# Altium PCB PokeyMain.PcbDoc (part 1 of 3) (continued)
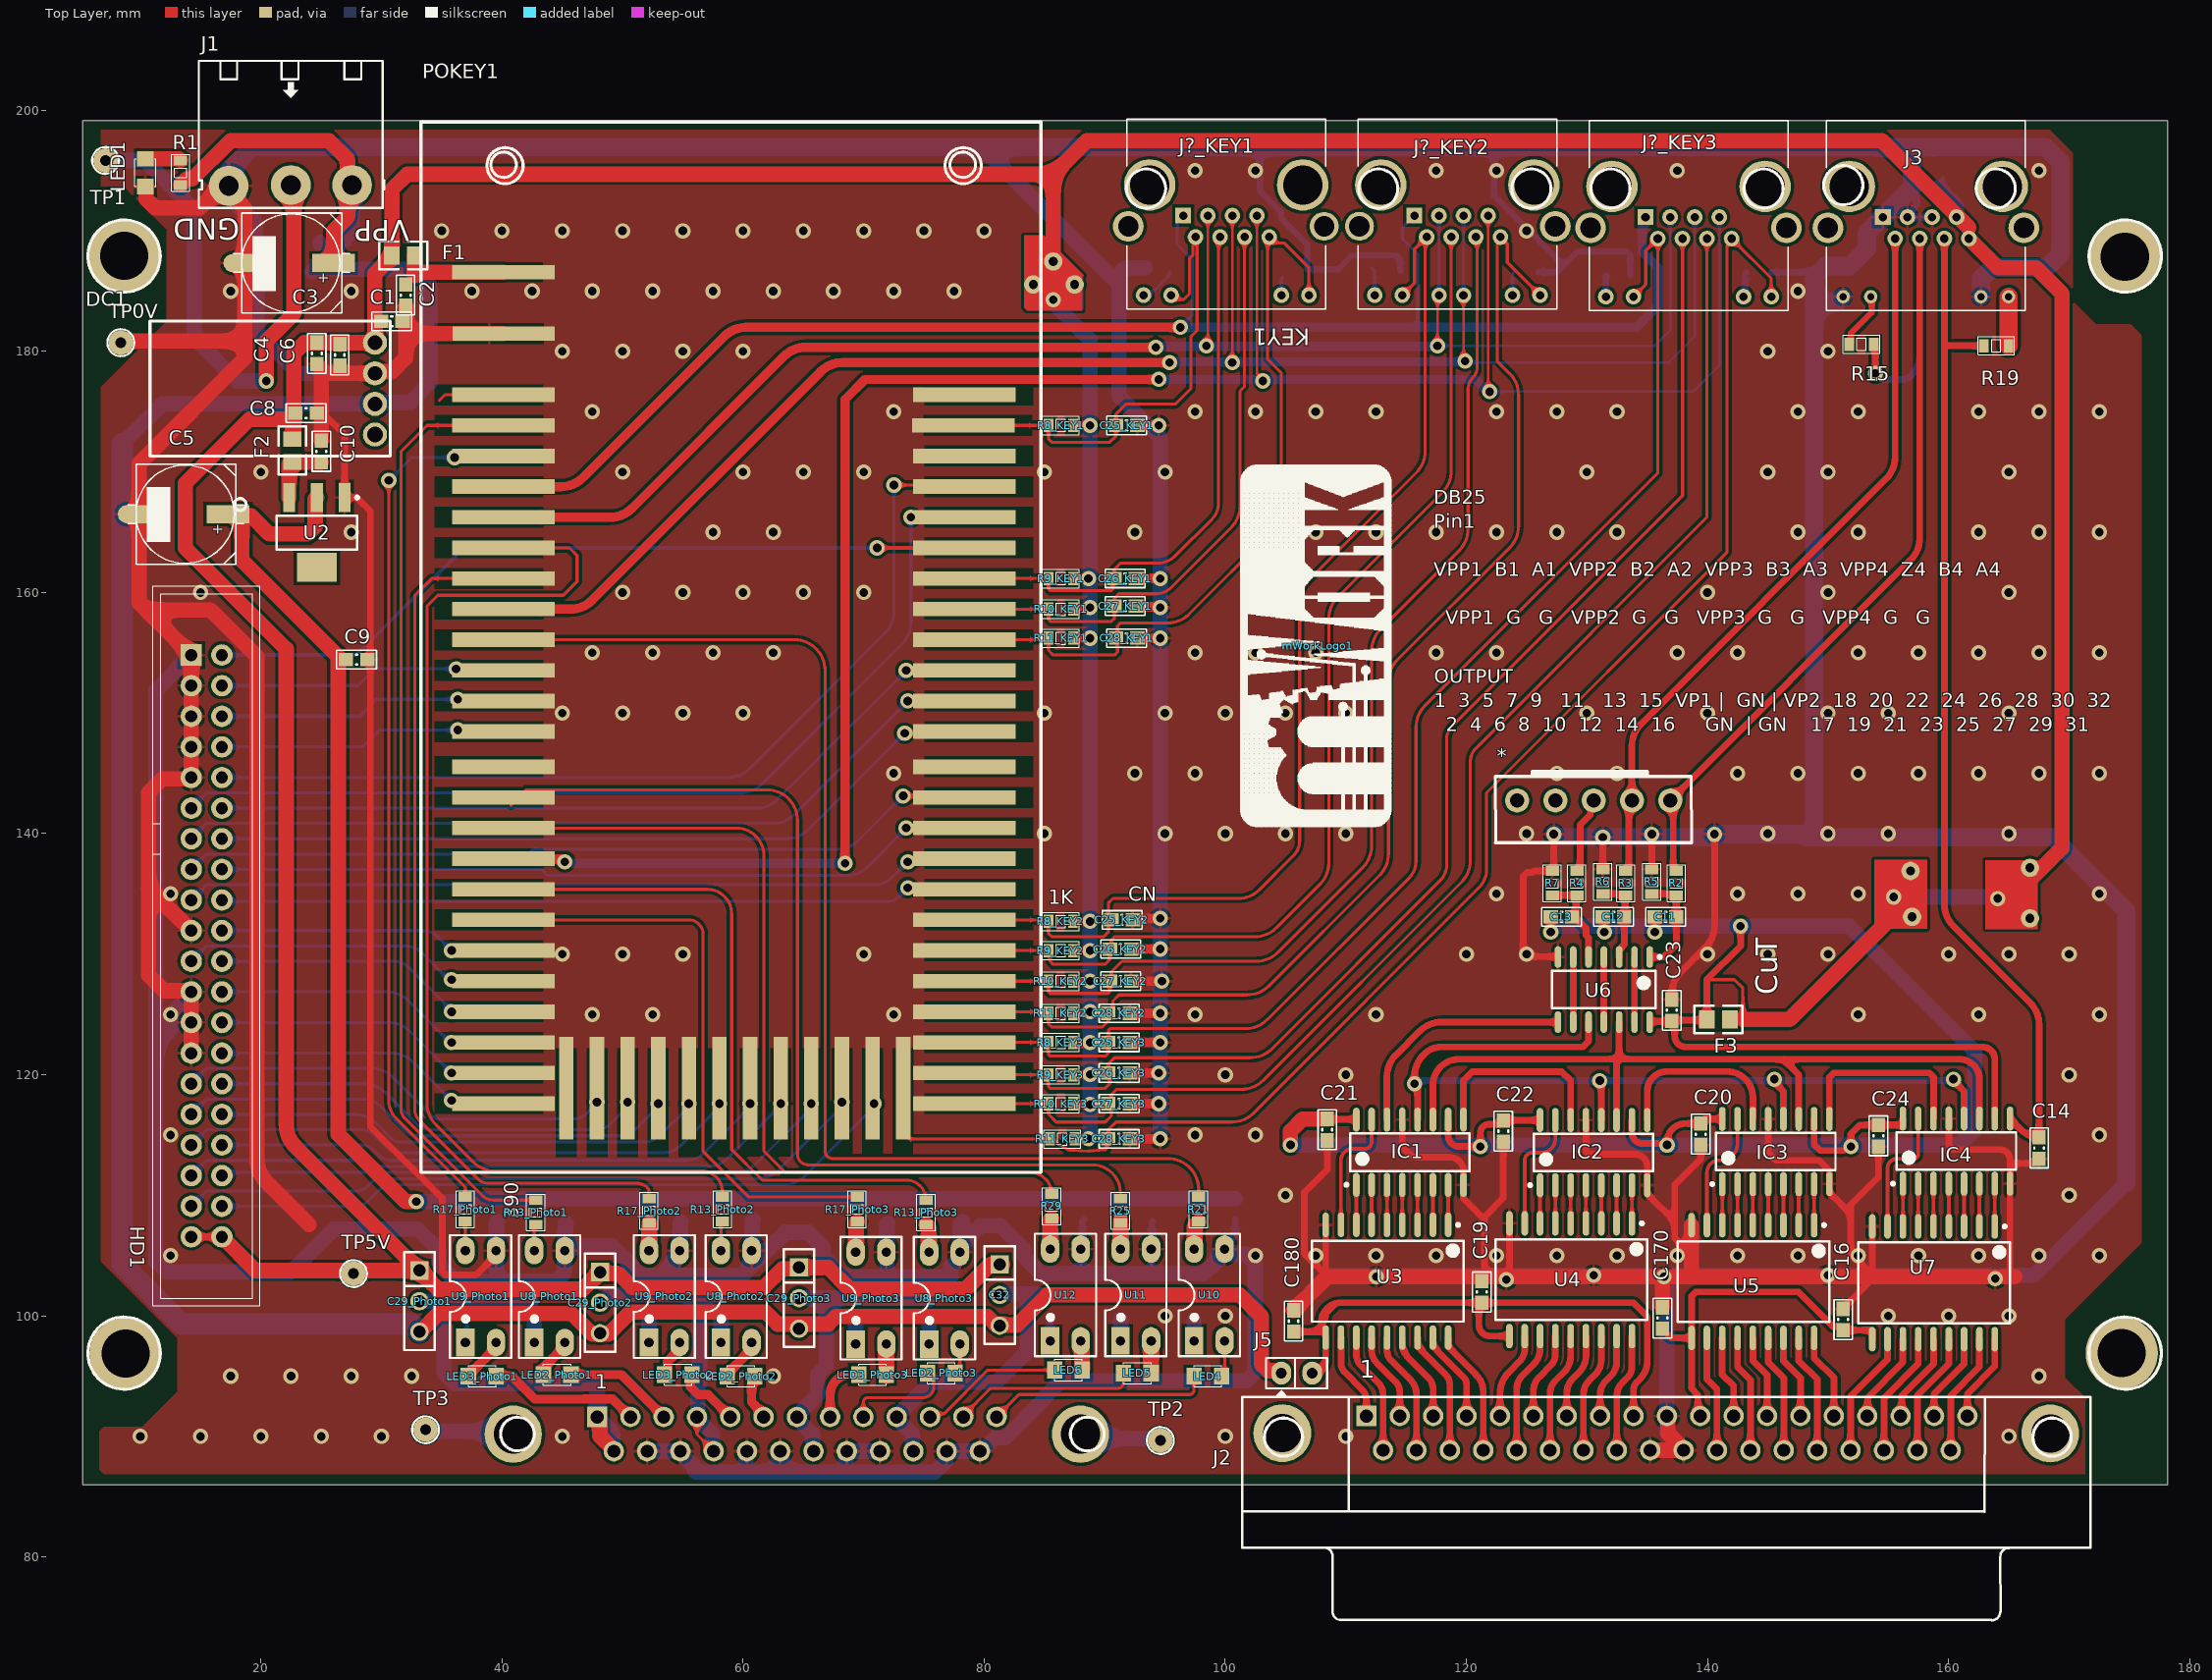
[diagram p0: Top Layer view]
## Components (designator, comment, footprint, x,y, rotation, side; value= is the part's Value field where it differs from the comment) (continued)
R9_KEY3 "1K" RES-SMD-0603_BIG 86.346,119.993 r180 top (schematic designator R9)
R10_KEY1 "1K" RES-SMD-0603_BIG 86.36,158.623 r180 top (schematic designator R10)
R10_KEY2 "1K" RES-SMD-0603_BIG 86.346,127.762 r180 top (schematic designator R10)
R10_KEY3 "1K" RES-SMD-0603_BIG 86.36,117.602 r180 top (schematic designator R10)
R11_KEY1 "1K" RES-SMD-0603_BIG 86.36,156.21 r180 top (schematic designator R11)
R11_KEY2 "1K" RES-SMD-0603_BIG 86.346,125.095 r180 top (schematic designator R11)
R11_KEY3 "1K" RES-SMD-0603_BIG 86.487,114.681 r180 top (schematic designator R11)
R12_Photo1 "5K" RES-SMD-0603_BIG 42.799,108.585 r270 bottom (schematic designator R12)
R12_Photo2 "5K" RES-SMD-0603_BIG 58.293,108.712 r270 bottom (schematic designator R12)
R12_Photo3 "5K" RES-SMD-0603_BIG 75.184,108.571 r270 bottom (schematic designator R12)
R13_Photo1 "390" RES-SMD-0603_BIG 42.799,108.585 r270 top (schematic designator R13)
R13_Photo2 "390" RES-SMD-0603_BIG 58.293,108.839 r270 top (schematic designator R13)
R13_Photo3 "390" RES-SMD-0603_BIG 75.184,108.585 r270 top (schematic designator R13)
R14_Photo1 "2K" RES-SMD-0603_BIG 42.672,100.457 r270 bottom (schematic designator R14)
R14_Photo2 "2K" RES-SMD-0603_BIG 58.2,100.876 r270 bottom (schematic designator R14)
R14_Photo3 "2K" RES-SMD-0603_BIG 75.438,100.33 r270 bottom (schematic designator R14)
R15 "R" RES-SMD-0603_BIG 152.781,180.594 r0 top
R16_Photo1 "5K" RES-SMD-0603_BIG 36.957,108.712 r270 bottom (schematic designator R16)
R16_Photo2 "5K" RES-SMD-0603_BIG 52.275,108.712 r270 bottom (schematic designator R16)
R16_Photo3 "5K" RES-SMD-0603_BIG 69.469,108.444 r270 bottom (schematic designator R16)
R17_Photo1 "390" RES-SMD-0603_BIG 36.957,108.839 r270 top (schematic designator R17)
R17_Photo2 "390" RES-SMD-0603_BIG 52.197,108.712 r270 top (schematic designator R17)
R17_Photo3 "390" RES-SMD-0603_BIG 69.469,108.839 r270 top (schematic designator R17)
R18_Photo1 "2K" RES-SMD-0603_BIG 36.957,100.457 r270 bottom (schematic designator R18)
R18_Photo2 "2K" RES-SMD-0603_BIG 52.07,100.584 r270 bottom (schematic designator R18)
R18_Photo3 "2K" RES-SMD-0603_BIG 69.342,100.457 r270 bottom (schematic designator R18)
R19 "R" RES-SMD-0603_BIG 163.957,180.467 r0 top
R20 "5K" RES-SMD-0603_BIG 98.044,108.712 r270 bottom
R21 "390" RES-SMD-0603_BIG 97.79,108.839 r270 top
R22 "2K" RES-SMD-0603_BIG 97.409,100.584 r270 bottom
R23_KEY1 "R" RES-SMD-0603_BIG 94.361,186.944 r180 bottom (schematic designator R23)
R23_KEY2 "R" RES-SMD-0603_BIG 113.538,186.69 r0 bottom (schematic designator R23)
R23_KEY3 "R" RES-SMD-0603_BIG 132.588,186.817 r0 bottom (schematic designator R23)
R24 "5K" RES-SMD-0603_BIG 91.313,108.571 r270 bottom
R25 "390" RES-SMD-0603_BIG 91.313,108.712 r270 top
R26 "2K" RES-SMD-0603_BIG 91.313,100.711 r270 bottom
R27_KEY1 "R" RES-SMD-0603_BIG 105.791,186.817 r180 bottom (schematic designator R27)
R27_KEY2 "R" RES-SMD-0603_BIG 124.968,186.563 r180 bottom (schematic designator R27)
R27_KEY3 "R" RES-SMD-0603_BIG 144.272,186.563 r180 bottom (schematic designator R27)
R28 "5K" RES-SMD-0603_BIG 85.598,108.712 r270 bottom
R29 "390" RES-SMD-0603_BIG 85.598,109.093 r270 top
R30 "2K" RES-SMD-0603_BIG 85.471,100.584 r270 bottom
TP0V "TP" TP1 8.382,180.721 r90 top value="Test Point"
TP1 "TP" TP1 7.112,195.834 r0 top value="Test Point"
TP2 "TP" TP1 94.615,89.662 r0 top value="Test Point"
TP3 "TP" TP1 33.655,90.551 r0 top value="Test Point"
TP5V "TP" TP1 27.686,103.505 r90 top value="Test Point"
U2 "LM1117-3.3V" SOT223 24.638,164.973 r180 top
U3 "ULN2803" SO18 113.411,102.87 r270 top
U4 "ULN2803" SO18 128.651,102.997 r270 top
U5 "ULN2803" SO18 143.764,102.846 r270 top
U6 "7414" SO14 131.405,127.061 r270 top
U7 "ULN2803" SO18 158.75,102.743 r270 top
U8_Photo1 "PC847" DIP4 42.672,97.79 r0 top value=PC817 (schematic designator U8)
U8_Photo2 "PC847" DIP4 58.166,97.79 r0 top value=PC817 (schematic designator U8)
U8_Photo3 "PC847" DIP4 75.438,97.663 r0 top value=PC817 (schematic designator U8)
U9_Photo1 "PC847" DIP4 36.957,97.79 r0 top value=PC817 (schematic designator U9)
U9_Photo2 "PC847" DIP4 52.197,97.79 r0 top value=PC817 (schematic designator U9)
U9_Photo3 "PC847" DIP4 69.342,97.663 r0 top value=PC817 (schematic designator U9)
U10 "PC847" DIP4 97.409,97.917 r0 top value=PC817
U11 "PC847" DIP4 91.313,97.917 r0 top value=PC817
U12 "PC847" DIP4 85.471,97.917 r0 top value=PC817

## Footprints (in the part's own frame and the unit in brackets; to place one, negate y for a bottom-side part, rotate by r counter-clockwise, add the part's x,y. Pads: shape width x height; smd on the part's side, far side on the other; paste and mask are expansions set on the pad)
CAP-ALU-SMD-F [mil]
  rect 140x59.06 smd: 1(-140,0)
  oval 140x59.06 smd: 2(150,0)
  silkscreen extent -192,-163 187,163, body extent -195,-163 195,163, height 402
Capacitor_805 [mm]
  rect 1.3x1.5 smd: 1(0.95,0) 2(-0.95,0)
  silkscreen extent -2,-1.15 2,1.15, body extent -1,-0.63 1,0.62, height 0.78
CN-SMD-0603_big [mm]
  rect 1.2x1.1 smd: 1(-0.889,0) 2(0.889,0)
  silkscreen extent -1.65,-0.76 1.65,0.76, body extent -0.8,-0.4 0.8,0.4, height 0.3
DB25 [mm] "Connector; D Subminiature AMPLIMITE 2000; 25 Position; Right Angle"
  rect 1.69x1.69 hole 1.09: 1(-16.566,-10.92)
  round 1.69 hole 1.09: 2(-13.805,-10.92) 3(-11.044,-10.92) 4(-8.283,-10.92) 5(-5.522,-10.92) 6(-2.761,-10.92) 7(0,-10.92) 8(2.761,-10.92) 9(5.522,-10.92) 10(8.283,-10.92) 11(11.044,-10.92) 12(13.805,-10.92) 13(16.566,-10.92) 14(-15.185,-8.08) 15(-12.425,-8.08) 16(-9.663,-8.08) 17(-6.903,-8.08) 18(-4.142,-8.08) 19(-1.38,-8.08) 20(1.38,-8.08) 21(4.142,-8.08) 22(6.903,-8.08) 23(9.663,-8.08) 24(12.425,-8.08) 25(15.185,-8.08)
  round 4.76 hole 3.26: 26(-23.526,-9.5) 27(23.526,-9.5)
  silkscreen extent -26.5,-12.5 26.6,6, body extent -26.61,-12.56 26.86,5.84, height 12.71
DB37 [mm]
  rect 1.69x1.69 hole 1.09: 1(-2.842,-26.427)
  round 1.69 hole 1.09: 2(-2.842,-23.657) 3(-2.842,-20.887) 4(-2.842,-18.117) 5(-2.842,-15.347) 6(-2.842,-12.577) 7(-2.842,-9.807) 8(-2.842,-7.037) 9(-2.842,-4.267) 10(-2.842,-1.497) 11(-2.842,1.27) 12(-2.842,4.043) 13(-2.842,6.813) 14(-2.842,9.583) 15(-2.842,12.353) 16(-2.842,15.123) 17(-2.842,17.893) 18(-2.842,20.663) 19(-2.842,23.433) 20(-0.002,-25.042) 21(-0.002,-22.272) 22(-0.002,-19.502) 23(-0.002,-16.732) 24(-0.002,-13.962) 25(-0.002,-11.192) 26(-0.002,-8.422) 27(-0.002,-5.652) 28(-0.002,-2.882) 29(-0.002,-0.112) 30(-0.002,2.658) 31(-0.002,5.428) 32(-0.002,8.198) 33(-0.002,10.968) 34(-0.002,13.738) 35(-0.002,16.508) 36(-0.002,19.278) 37(-0.002,22.048)
  round 4.8 hole 3.18: 38(-1.416,-33.395) 39(-1.397,30.306)
  silkscreen extent -4.42,-36.73 14.1,33.66, body extent -4.14,-36.35 18.92,33.3, height 12.71
DC_V2 [mm]
  round 2 hole 1.2: 1(1.27,-4.318) 2(1.27,-6.858) 3(1.27,-9.398)
  round 2 hole 1.3: 4(1.27,-1.778)
  silkscreen extent 0,-11.18 19.94,0
DIO-SMD-106-HayDung [mm]
  rect 2.5x2.6 smd: 1(2.032,0) 2(-2.032,0)
  silkscreen extent -3.56,-1.4 3.43,1.4, body extent -2.51,-1.28 2.69,1.32, height 2.4
DIP4 [mil]
  rect 60x90 hole 31: 1(0,0)
  oval 60x90 hole 31: 2(100,0) 3(100,300) 4(0,300)
  silkscreen extent -50,-50 150,350, body extent -59,-10 159,305, height 170
IDC40 [mil]
  rect 70x70 hole 40: 1(0,0)
  round 70 hole 40: 2(0,100) 3(100,0) 4(100,100) 5(200,0) 6(200,100) 7(300,0) 8(300,100) 9(400,0) 10(400,100) 11(500,0) 12(500,100) 13(600,0) 14(600,100) 15(700,0) 16(700,100) 17(800,0) 18(800,100) 19(900,0) 20(900,100) 21(1000,0) 22(1000,100) 23(1100,0) 24(1100,100) 25(1200,0) 26(1200,100) 27(1300,0) 28(1300,100) 29(1400,0) 30(1400,100) 31(1500,0) 32(1500,100) 33(1600,0) 34(1600,100) 35(1700,0) 36(1700,100) 37(1800,0) 38(1800,100) 39(1900,0) 40(1900,100)
  silkscreen extent -226,-125 2125,225, body extent -225,-125 2125,225, height 358
JACK5 [mm]
  round 2 hole 1.2: 1(0,0) 2(3.175,0) 3(6.35,0) 4(9.525,0) 5(12.7,0)
  silkscreen extent -1.8,-3.5 14.48,2.41
JP2 [mil]
  oval 65x75 hole 36: 1(0,0) 2(101,0)
  silkscreen extent -50,-81 150,50, body extent -48,-50 148,48, height 323
JP3-C1T [mm] "3 row, straight, gold plating"
  rect 1.52x1.52 hole 1.02: 1(0,0)
  round 1.52 hole 1.02: 2(2.54,0) 3(5.08,0)
  silkscreen extent -1.52,-1.27 6.6,1.27, body extent -1.52,-1.25 6.6,1.25, height 8.51
KF3-5.08T [mil] "Header 3, 3 pin, hight 300mil, Pin to Pin 200, Colour Green"
  round 130 hole 65: 1(0,0) 2(200,0) 3(402.62,2.62)
  silkscreen extent -105,-405 500,75, body extent -95,-404 496,68, height 124
LED-0805-Green [mil]
  rect 50x55 smd: 1(0,0) 2(90,0)
  silkscreen extent 0,-35 90,35, body extent 5,-25 85,25, height 43
LED-0805-Red [mil]
  rect 50x55 smd: 1(0,0) 2(90,0)
  silkscreen extent 0,-35 90,35, body extent 5,-25 85,25, height 43
LogoMwork30*12 [mm] "30mm*12mm"
  silkscreen extent -15.05,-6.08 15.03,6.41
POKEY [mm]
  rect 8.5x1.2 smd: 0(-0.13,68.961) 1(-0.127,63.881) 2(-0.13,58.801) 3(-0.13,56.261) 4(-0.13,53.721) 5(-0.13,51.181) 6(-0.13,48.641) 7(-0.13,46.101) 8(-0.13,43.561) 9(-0.13,41.021) 10(-0.13,38.481) 11(-0.13,35.941) 12(-0.13,33.401) 13(-0.13,30.861) 14(-0.13,27.94) 15(-0.13,25.4) 16(-0.13,22.86) 17(-0.13,20.32) 18(-0.13,17.78) 19(-0.13,15.24) 20(-0.13,12.7) 21(-0.13,10.16) 22(-0.13,7.62) 23(-0.13,5.08) 24(-0.13,2.54) 25(-0.13,0) 38(38.1,0) 39(38.1,2.54) 40(38.1,5.08) 41(38.1,7.62) 42(38.1,10.16) 43(38.1,12.7) 44(38.1,15.24) 45(38.1,17.78) 46(38.1,20.32) 47(38.1,22.86) 48(38.1,25.4) 49(38.1,27.94) 50(38.1,30.861) 51(38.1,33.401) 52(38.1,35.941) 53(38.1,38.481) 54(38.1,41.021) 55(38.1,43.561) 56(38.1,46.101) 57(38.1,48.641) 58(38.1,51.181) 59(38.1,53.721) 60(38.02,56.261) 61(38.1,58.801)
  rect 1.2x8.5 smd: 26(5.08,1.27) 27(7.62,1.27) 28(10.16,1.27) 29(12.7,1.27) 30(15.24,1.27) 31(17.78,1.27) 32(20.32,1.27) 33(22.86,1.27) 34(25.4,1.27) 35(27.94,1.27) 36(30.48,1.27) 37(33.02,1.27)
  silkscreen extent -6.98,-5.71 44.45,81.42, body extent -3.5,-1.78 41.4,84.31, height 13.84
RES-SMD-0603_BIG [mm]
  rect 0.8x1.1 smd: 1(-1.016,0) 2(1.016,0)
  silkscreen extent -1.52,-0.76 1.52,0.76, body extent -0.8,-0.4 0.8,0.4, height 0.43
RJ45_8P8C#1 [mm] "https://www.thegioiic.com/products/cong-rj45-cai-8pin-8p8c-co-led-16x16mm"
  rect 1.308x1.308 hole 0.7: 1(3.57,0.125)
  round 1.308 hole 0.7: 2(2.55,1.905) 3(1.53,0.125) 4(0.51,1.905) 5(-0.51,0.125) 6(-1.53,1.905) 7(-2.55,0.125) 8(-3.57,1.905)
  round 1.108 hole 0.6: L1(4.57,6.725) L1-(6.86,6.725) L2+(-6.86,6.725) L2-(-4.57,6.725)
  round 4.266 hole 3.25: S1(6.35,-2.415) S2(-6.35,-2.415)
  round 2.55 hole 1.7: S3(-8.125,1.015) S4(8.125,1.015)
  silkscreen extent -8.25,-7.88 8.25,7.88, body extent -7.87,-7.88 7.87,7.51, height 12.84
RJ45_8P8C#2 [mm] "https://www.thegioiic.com/products/cong-rj45-cai-8pin-8p8c-co-led-16x16mm"
  rect 1.3x1.3 hole 0.7: 1(3.57,0.125)
  round 1.3 hole 0.7: 2(2.55,1.905) 3(1.53,0.125) 4(0.51,1.905) 5(-0.51,0.125) 6(-1.53,1.905) 7(-2.55,0.125) 8(-3.57,1.905) L1+(4.57,6.725) L1-(6.86,6.725) L2+(-6.86,6.725) L2-(-4.57,6.725)
  round 4.266 hole 3.25: S1(6.35,-2.415) S2(-6.35,-2.415)
  round 2.4 hole 1.7: S3(-8.125,1.015)
  round 2.55 hole 1.7: S4(8.125,1.015)
  silkscreen extent -8.25,-7.88 8.25,7.88, body extent -7.87,-7.88 7.87,7.51, height 12.84
RJ45_8P8C#3 [mm] "https://www.thegioiic.com/products/cong-rj45-cai-8pin-8p8c-co-led-16x16mm"
  rect 1.3x1.3 hole 0.7: 1(3.57,0.125)
  round 1.3 hole 0.7: 2(2.55,1.905) 3(1.53,0.125) 4(0.51,1.905) 5(-0.51,0.125) 6(-1.53,1.905) 7(-2.55,0.125) 8(-3.57,1.905) L1+(4.57,6.725) L1-(6.86,6.725) L2+(-6.86,6.725) L2-(-4.57,6.725)
  round 4.266 hole 3.25: S1(6.35,-2.415) S2(-6.35,-2.415)
  round 2.55 hole 1.7: S3(-8.125,1.015)
  round 2.4 hole 1.7: S4(8.125,1.015)
  silkscreen extent -8.25,-7.88 8.25,7.88, body extent -7.87,-7.88 7.87,7.51, height 12.84
RJ45_8P8C#4 [mm] "https://www.thegioiic.com/products/cong-rj45-cai-8pin-8p8c-co-led-16x16mm"
  rect 1.3x1.3 hole 0.7: 1(3.57,0.125)
  round 1.3 hole 0.7: 2(2.55,1.905) 3(1.53,0.125) 4(0.51,1.905) 5(-0.51,0.125) 6(-1.53,1.905) 7(-2.55,0.125) 8(-3.57,1.905) L1+(4.57,6.725) L1-(6.86,6.725) L2+(-6.86,6.725) L2-(-4.57,6.725)
  round 4.266 hole 3.25: S1(6.35,-2.415) S2(-6.35,-2.415)
  round 2.55 hole 1.7: S3(-8.125,1.015) S4(8.125,1.015)
  silkscreen extent -8.25,-7.88 8.25,7.88, body extent -7.87,-7.88 7.87,7.51, height 12.84
SO14 [mm] "SOIC, 14-Leads, Body 8.60x3.90mm, Pitch 1.27mm, IPC Medium Density"
  oval 1.8x0.55 smd: 1(-2.7,3.81) 2(-2.7,2.54) 3(-2.7,1.27) 4(-2.7,0) 5(-2.7,-1.27) 6(-2.7,-2.54) 7(-2.7,-3.81) 8(2.7,-3.81) 9(2.7,-2.54) 10(2.7,-1.27) 11(2.7,0) 12(2.7,1.27) 13(2.7,2.54) 14(2.7,3.81)
  silkscreen extent -2.82,-4.3 1.55,4.76, body extent -2.87,-4.3 3.13,4.3, height 1.75
SO16 [mm] "SOIC, 16-Leads, Body 9.90x3.91mm, Pitch 1.27mm, IPC Medium Density"
  oval 2x0.55 smd: 1(-2.7,4.445) 2(-2.7,3.175) 3(-2.7,1.905) 4(-2.7,0.635) 5(-2.7,-0.635) 6(-2.7,-1.905) 7(-2.7,-3.175) 8(-2.7,-4.445) 9(2.7,-4.445) 10(2.7,-3.175) 11(2.7,-1.905) 12(2.7,-0.635) 13(2.7,0.635) 14(2.7,1.905) 15(2.7,3.175) 16(2.7,4.445)
  silkscreen extent -2.82,-4.95 1.55,5.39, body extent -3,-4.95 3,4.95, height 1.4
SO18 [mm] "SOIC, 18-Leads, Body 11.50x7.50mm, Pitch 1.27mm, IPC Medium Density"
  oval 2.032x0.55 smd: 1(-4.675,5.08) 2(-4.675,3.81) 3(-4.675,2.54) 4(-4.675,1.27) 5(-4.675,0) 6(-4.675,-1.27) 7(-4.675,-2.54) 8(-4.675,-3.81) 9(-4.675,-5.08) 10(4.675,-5.08) 11(4.675,-3.81) 12(4.675,-2.54) 13(4.675,-1.27) 14(4.675,0) 15(4.675,1.27) 16(4.675,2.54) 17(4.675,3.81) 18(4.675,5.08)
  silkscreen extent -4.8,-6.22 3.35,6.35, body extent -5.15,-5.77 5.15,5.76, height 2.7
SOT223 [mm]
  rect 1x2.4 smd: 1(-2.3,-2.9) 2(0,-2.9) 3(2.3,-2.9)
  rect 3.3x2.4 smd: 4(0,2.9)
  silkscreen extent -3.48,-3.02 3.35,1.4, body extent -3.25,-3.56 3.25,3.4, height 1.68
TP1 [mil] "Test point"
  round 80 hole 35: 1(0,0)
  silkscreen extent -44,-44 44,44, body extent -50,-50 50,50, height 178

## Part data
C3 C5: "Polarized Capacitor (Axial)", LatestRevisionDate=17-Jul-2002, LatestRevisionNote="Re-released for DXP Platform.", PackageReference=POLAR0.8, Published=8-Jun-2000, Publisher="Altium Limited"
C29_Photo1 C29_Photo2 C29_Photo3 C32: "WR-PHD 2.54 mm Angled Socket Header", Manufacturer="W¨¹rth Elektronik eiSos GmbH", partNo=613003143121, ComponentLink1 Description=Manufacturer, ComponentLink1URL=http://www.we-online.com, ComponentLink2 Description=Datasheet, ComponentLink2URL=http://katalog.we-online.de/em/datasheet/6130xx143121.pdf, Created by="Karrer Zheng", Created Date="29 March 2013", NoPins=03
D1: "Default Diode", Code - JEDEC=DO-214-AB, ComponentLink1Description="ES1J - STMBL", ComponentLink1URL=https://banlinhkien.vn/goods-8089-es1j-do214-diode-1a-600v-sma-es1j-.html, Published=8-Jun-2000, Publisher="Altium Limited", Revision="July-2002: Re-released for DXP Platform."
DC1: library part DC_Module_V2
F1 F2 F3: library part Ferrite
HD1: "IDC 13x2"
IC1 IC2 IC3 IC4: library part 74595, "8 Bit Serial input - Parallel Output"
J1: Manufacturer="Würth Elektronik eiSos GmbH", partNo=691103110003, ComponentLink1 Description=Manufacturer, ComponentLink1URL=http://www.we-online.com, ComponentLink2 Description=Datasheet, ComponentLink2URL=http://katalog.we-online.de/em/datasheet/6911031100xx.pdf, Created by="Karrer Zheng", Created Date="29 October 2013", NoPins=3
J2: library part DB25, "Receptacle Assembly, Size 3, 25 Position, Right Angle, .318 Series, Amplimite", PackageDocument=19-Mar-1999, ComponentAvailability=Obsolete, ComponentLink1Description="Manufacturer Link", ComponentLink1URL=http://www.tycoelectronics.com/, DatasheetDocument=19-Mar-1999, DrillSize="Corresponds to nominal value.", Gender=Receptacle, LatestRevisionDate=17-Jul-2002, LatestRevisionNote="Re-released for DXP Platform.", MatingConnector="4-40 Threaded Insert", Orientation="Right Angle", PackageReference=787202-4, PCB_Layout="Complies with manufacturer's recommendation.", Positions=25, Published=15-Jun-2001, Publisher="Altium Limited", ShellSize=3
J3 J?_KEY1 J?_KEY2 J?_KEY3: library part RJ45_8P8C, "Conn, Rj45 Jack, Shld, 1port, 8p8c, Cat5", Package=None, Availability=Unavailable, MF="WÃ¼rth Elektronik", MP=615008142121, Price=None, SnapEDA_Link=https://www.snapeda.com/parts/615008142121/W%C3%BCrth%20Elektronik/view-part/1118273/?ref=snap
J5: library part "JP 2"
LED1 LED2_Photo1 LED2_Photo2 LED2_Photo3 LED3_Photo1 LED3_Photo2 LED3_Photo3 LED4 LED5 LED6: library part "LED SMD"
R2 R3 R4 R5 R6 R7 R8_KEY1 R8_KEY2 R8_KEY3 R9_KEY1 R9_KEY2 R9_KEY3 R10_KEY1 R10_KEY2 R10_KEY3 R11_KEY1 R11_KEY2 R11_KEY3 R12_Photo1 R12_Photo2 R12_Photo3 R13_Photo1 R13_Photo2 R13_Photo3 R14_Photo1 R14_Photo2 R14_Photo3 R16_Photo1 R16_Photo2 R16_Photo3 R17_Photo1 R17_Photo2 R17_Photo3 R18_Photo1 R18_Photo2 R18_Photo3 R20 R21 R22 R24 R25 R26 R28 R29 R30: library part R
TP0V TP1 TP2 TP3 TP5V: library part TP1, "Test Point"
U2: library part LM1117, "800mA Low-Dropout Linear Regulator", Creator="Nguyen Ba Bien", Website=http://group3i.net
U3 U4 U5 U7: "OCTAL HIGH CURRENT DRIVER", Manufacturer="Texas Instruments", Manufacturer Part Number=ULN2803ADWR, Package / Case="18-SOIC (7.5mm Width)", Supplier Part Number=296-15777-1-ND, Voltage - Supply=5V, Category="Integrated Circuits (ICs)", Number of Drivers/Receivers=8/0, Packaging="Cut Tape (CT)", Protocol=-, RoHS="RoHS Compliant", Supplier=Digi-Key, Supplier 1=Digi-Key, Supplier Part Number 1=296-15777-1-ND, Type="Darlington Array"
U6: "IC, M74HC04M, Hex Inverter, SO-14", Text Field1=ST, Text Field2=M74HC04M1R, Text Field3=Mouser, Text Field4=511-M74HC04M, Text Field5=SO-14, Text Field6=.22
U8_Photo1 U8_Photo2 U8_Photo3 U9_Photo1 U9_Photo2 U9_Photo3 U10 U11 U12: library part PC817, "Single Opto"

## Free pads (board coordinates)
  round 6 hole 4: 2(8.647,187.944) 2(8.774,96.885) 2(174.371,96.901) 2(174.625,187.833)
  round 1.524 hole 0.762: 3(85.725,187.452) 4(87.503,185.547) 5(84.074,185.547) 6(156.845,136.906) 7(156.972,133.096) 8(166.751,137.16) 9(166.751,132.969)

## Via types
v1: diameter 1.27, hole 0.711, Top Layer to Bottom Layer, tented both sides, 309 vias

## Nets (pads, with @x,y where several pads share a name; then routed paths per layer and width w, separated by ;. In a path a pad name is that pad's centre, name@x,y a point inside that pad or via, vN(x,y) a via of type N, cw(c..) or ccw(c..) an arc to the next point about the centre after c; other vN are vias at no path point)
+5: C1.2 C4.2 C6.2 C8.2 C11.2 C12.2 C13.2 C15.1 C20.2 C21.2 C22.2 C23.2 C24.2 C29_Photo1.1 C29_Photo2.1 C29_Photo3.1 C32.1 DC1.3 F1.1 F2.1 F3.1 F3.2 HD1.39 HD1.40 IC1.10 IC1.16 IC2.10 IC2.16 IC3.10 IC3.16 IC4.10 IC4.16 J3.7 J3.8 pad.3 pad.4 pad.5 pad.6 pad.7 pad.8 pad.9 R8_KEY1.1 R8_KEY2.1 R8_KEY3.1 R9_KEY1.1 R9_KEY2.1 R9_KEY3.1 R10_KEY1.1 R10_KEY2.1 R10_KEY3.1 R11_KEY1.1 R11_KEY2.1 R11_KEY3.1 TP5V.1 U6.14 | length 709.6
  Top Layer w0.254: 140.003,127.889 142.235,127.889 142.936,127.188 142.936,124.587
  Top Layer w0.559: HD1.39@14.224,106.553 HD1.40@16.764,106.553 ; C21.2@108.458,116.332 108.489,116.301 110.867,116.301 110.871,116.297 IC1.16@110.871,116.271 ; IC1.10@118.491,116.271 118.495,116.267 118.495,114.937 ccw(c119.386,114.937) 119.386,114.046 v1(121.158,114.046) 121.158,115.189 cw(c121.853,115.189) 121.853,115.884 122.792,115.884 123.063,116.155 C22.2@123.063,116.205 123.079,116.221 126.107,116.221 126.111,116.226 IC2.16@126.111,116.238 ; v1(127,131.826) C13.2@127,133.096 ; C12.2@131.318,133.096 131.381,133.032 131.381,131.889 v1(131.445,131.826) ; IC2.10@133.731,116.238 133.731,115.189 ccw(c134.62,115.189) 134.62,114.3 135.89,114.3 ; U6.14@135.215,124.361 135.215,124.406 135.22,124.41 136.983,124.41 cw(c136.983,124.107) 137.287,124.107 137.287,123.19 ccw(c138.176,123.19) 138.176,122.301 162.814,122.301 cw(c162.814,121.285) 163.83,121.285 IC4.10@163.83,116.365 ; v1(135.636,131.826) C11.2@135.636,133.096 ; v1(136.652,114.173) 136.652,114.427 cw(c138.176,114.427) 138.176,115.951 C20.2@139.446,115.951 139.446,116.001 139.777,116.332 IC3.16@141.224,116.332 ; C23.2@137.033,124.46 137.096,124.523 139.895,124.523 F3.1@139.959,124.587 139.959,127.894 142.748,130.683 v1(142.748,132.334) ; IC3.10@148.844,116.332 148.844,114.224 149.352,113.716 151.308,113.716 ; v1(151.892,114.046) 151.892,115.083 152.633,115.824 C24.2@154.178,115.824 156.206,115.824 156.21,115.828 IC4.16@156.21,116.365
  Top Layer w0.635: R9_KEY3.1@87.362,119.993 87.373,120.004 88.762,120.004 v1(88.773,120.015) ; R8_KEY3.1@87.362,122.682 87.362,122.638 87.445,122.555 88.646,122.555 v1(88.773,122.682) ; R11_KEY2.1@87.362,125.095 87.426,125.158 88.709,125.158 v1(88.773,125.222) ; R10_KEY2.1@87.362,127.762 v1(88.773,127.762) ; R9_KEY2.1@87.362,130.302 v1(88.773,130.302) ; R8_KEY2.1@87.362,132.715 v1(88.773,132.715) ; R10_KEY3.1@87.376,117.602 87.449,117.529 v1(88.787,117.529) ; R11_KEY1.1@87.376,156.21 v1(88.773,156.21) ; R10_KEY1.1@87.376,158.623 87.439,158.686 88.709,158.686 v1(88.773,158.75) ; R9_KEY1.1@87.376,161.163 v1(88.646,161.163) ; R8_KEY1.1@87.376,173.863 v1(88.773,173.863) ; R11_KEY3.1@87.503,114.681 v1(88.646,114.681)
  Top Layer w1.27: HD1.40@16.764,106.553 19.558,103.759 27.686,103.759 C29_Photo1.1@33.147,103.759 ; F2.1@22.606,172.72 22.706,172.72 22.721,172.735 22.721,172.835 22.733,172.847 C8.2@22.733,174.752 ; C8.2@22.86,174.879 C8.2@22.733,174.752 ; C6.2@26.543,180.594 C6.2@26.543,180.721 ; C32.1@81.536,104.269 80.52,104.269 78.486,102.235 68.834,102.235 67.056,104.013 C29_Photo3.1@64.643,104.013 64.518,103.888 63.252,103.888 61.726,102.362 50.8,102.362 49.655,103.507 48.008,103.507 46.711,102.21 34.696,102.21 C29_Photo1.1@33.147,103.759 ; v1(85.725,184.277) pad.3@85.725,187.452 85.725,194.691 ; v1(105.41,114.173) 105.41,115.332 106.41,116.332 C21.2@108.458,116.332 ; 142.936,124.587 146.812,124.587 155.448,133.223 v1(155.448,134.747) ; 161.68,190.266 160.738,191.208 154.461,197.485 88.519,197.485 85.725,194.691 ; J3.8@161.687,189.357 164.1,186.944 167.259,186.944 169.418,184.785 169.418,138.811 165.227,134.62 v1(164.084,134.62) ; C8.2@22.733,174.752 22.733,179.832 23.622,180.721 C4.2@24.638,180.721 C6.2@26.543,180.721 ; C8.2@22.733,174.752 22.352,174.371 19.05,174.371 13.716,169.037 13.716,163.703 22.098,155.321 22.098,115.86 ccw(c24.638,115.86) 22.842,114.064 C29_Photo1.1@33.147,103.759 ; C6.2@26.543,180.721 DC1.3@29.464,180.721 29.464,182.499 29.464,186.463 30.861,187.86 F1.1@30.861,187.96 30.861,193.421 32.131,194.691 85.725,194.691
  Bottom Layer w1.27: v1(85.725,184.277) 85.725,184.023 88.773,180.975 v1(88.773,173.863) v1(88.773,158.75) v1(88.773,156.21) v1(88.773,132.715) v1(88.773,130.302) v1(88.773,127.762) v1(88.773,125.222) v1@88.773,123.028 ; v1(88.646,114.681) 88.773,114.808 v1(88.773,120.015) v1@88.773,122.336 ; v1(88.773,122.682) 88.773,122.774 v1@88.808,122.809 ; v1(105.41,114.173) v1(136.652,114.173) 160.909,114.173 162.179,115.443 162.179,121.92 151.765,132.334 v1(142.748,132.334) 127.508,132.334 v1(127,131.826) ; v1(155.448,134.747) 163.957,134.747 v1(164.084,134.62) ; C15.1@159.131,193.548 160.66,192.019 160.66,191.144 J3.7@160.667,191.137
+12: C3.1 C29_Photo1.3 C29_Photo2.3 C29_Photo3.3 C32.3 D1.2 DC1.1 J1.1 J5.1 R1.1 | length 255.5
  Top Layer w1.27: R1.1@13.335,193.802 13.843,194.31 14.315,194.31 17.49,197.485 25.654,197.485 27.17,195.969 27.17,191.115 26.035,189.98 C3.1@26.035,187.325 ; C29_Photo1.3@33.147,98.679 33.215,98.679 34.739,100.203 45.769,100.203 47.479,98.492 48.532,98.492 48.543,98.504 48.816,98.504 48.831,98.489 48.831,98.548 48.961,98.677 49.02,98.677 50.673,100.33 61.849,100.33 62.865,99.314 67.069,99.314 67.704,99.949 80.264,99.949 80.899,99.314 C32.3@81.661,99.314 ; C32.3@81.28,99.187 81.328,99.235 82.725,99.235 85.217,101.727 101.219,101.727 102.997,99.949 102.997,95.994 103.541,95.45 104.472,95.45 104.648,95.274 J5.1@104.648,95.25
  Bottom Layer w1.27: 8.509,172.339 11.811,175.641 DC1.1@29.464,175.641 29.575,175.752 32.369,175.752 34.036,177.419 34.036,185.42 32.639,186.817 24.487,186.817 ; 24.257,186.613 27.559,189.915 J1.1@27.559,193.802 ; D1.2@24.892,188.976 D1.2@24.892,189.026
  Bottom Layer w1.778: 8.509,172.339 8.509,104.267 13.46,99.316 32.51,99.316 C29_Photo1.3@33.147,98.679
A1: POKEY1.3 R13_Photo1.1 | length 78.4
  Top Layer w0.254: POKEY1.3@40.132,173.863 33.782,173.863 31.623,171.704 31.623,117.162 ccw(c32.707,117.162) 31.941,116.396 38.354,109.982 ccw(c39.274,110.902) 39.274,109.601 R13_Photo1.1@42.799,109.601
A2: POKEY1.7 R13_Photo2.1 | length 91.7
  Top Layer w0.254: POKEY1.7@40.132,163.703 45.593,163.703 46.228,163.068 46.228,160.909 45.085,159.766 34.686,159.766 33.782,158.862 33.782,117.638 ccw(c36.322,117.638) 33.799,117.347 ccw(c36.322,117.638) 34.526,115.842 37.605,112.763 ccw(c39.401,114.559) 39.109,112.036 ccw(c39.401,114.559) 39.401,112.019 56.545,112.019 cw(c56.545,110.266) 57.785,111.506 cw(c56.559,110.28) 58.293,110.28 R13_Photo2.1@58.293,109.855
A3: POKEY1.18 R13_Photo3.1 | length 57.8
  Top Layer w0.254: POKEY1.18@40.132,135.382 57.023,135.382 cw(c57.023,133.35) 57.449,135.337 cw(c57.023,133.35) 59.01,133.776 cw(c57.023,133.35) 59.055,133.35 59.055,113.792 61.595,111.252 73.533,111.252 cw(c73.533,109.601) R13_Photo3.1@75.184,109.601
A4: J2.13@81.027,91.613 LED4.2 | length 18.5
  Top Layer w0.254: J2.13@81.027,91.613 82.886,93.472 97.028,93.472 ccw(c97.028,93.853) 97.409,93.853 LED4.2@97.409,94.996
B1: POKEY1.4 R17_Photo1.1 | length 68.2
  Top Layer w0.254: v1(30.607,169.291) 30.607,117.856 ccw(c32.648,117.856) 31.204,116.413 ; 31.205,116.413 36.957,110.661 R17_Photo1.1@36.957,109.855
  Bottom Layer w0.254: v1(30.607,169.291) 32.512,171.196 v1(36.068,171.196)
B2: POKEY1.8 R17_Photo2.1 | length 73.7
  Top Layer w0.254: POKEY1.8@40.132,161.163 34.163,161.163 32.766,159.766 32.766,117.125 ccw(c34.067,117.125) 33.147,116.205 37.973,111.379 ccw(c38.893,112.299) 38.893,110.998 51.15,110.998 cw(c51.15,109.697) 52.07,110.617 cw(c51.763,110.31) 52.197,110.31 R17_Photo2.1@52.197,109.728
B3: POKEY1.19 R17_Photo3.1 | length 49.6
  Top Layer w0.254: POKEY1.19@40.132,132.842 55.499,132.842 cw(c55.499,131.653) 56.688,131.653 56.688,113.637 57.877,112.449 60.47,109.855 R17_Photo3.1@69.469,109.855
B4: J2.12@78.266,91.613 LED5.2 | length 15.4
  Top Layer w0.254: J2.12@78.266,91.613 78.266,91.728 80.518,93.98 91.059,93.98 ccw(c91.059,94.488) 91.567,94.488 LED5.2@91.567,95.25
COL1: J?_KEY1.1 J?_KEY2.1 J?_KEY3.1 POKEY1.5 | length 130.8
  Top Layer w0.762: POKEY1.5@40.132,168.783 44.922,168.783 ccw(c44.922,171.323) 46.718,169.527 58.438,181.247 cw(c60.234,179.451) 60.234,181.991 v1(96.266,181.991)
  Bottom Layer w0.254: v1(96.266,181.991) 97.282,183.007 97.282,187.579 96.013,188.848 96.012,188.957 cw(c97.043,188.97) 96.012,188.976 96.023,190.783 96.098,190.857 J?_KEY1.1@96.509,191.263 ; 115.951,181.991 115.951,188.087 114.681,189.357 114.681,190.26 J?_KEY2.1@115.685,191.264 115.877,191.072 J?_KEY2.1@115.951,190.998
  Bottom Layer w0.762: v1(96.266,181.991) 115.951,181.991 134.112,181.991 135.89,183.769 135.89,186.944 134.589,188.245 134.589,190.866 J?_KEY3.1@134.858,191.135
COL2: J?_KEY1.3 J?_KEY2.3 J?_KEY3.3 POKEY1.6 | length 134.3
  Top Layer w0.203: v1(98.425,180.467) 98.563,180.605 J?_KEY1.3@98.563,191.249 ; J?_KEY1.3@98.549,191.263 J?_KEY1.3@98.563,191.249 ; J?_KEY1.3@98.679,191.133 98.619,191.193 J?_KEY1.3@98.563,191.249 ; v1(117.602,180.467) 117.602,184.533 v1(117.727,184.658)
  Top Layer w0.762: POKEY1.6@40.132,166.243 48.986,166.243 ccw(c48.986,168.783) 50.782,166.987 63.391,179.596 cw(c65.187,177.8) 65.187,180.34 v1(94.234,180.34)
  Bottom Layer w0.203: v1(117.602,180.467) 135.636,180.467 136.91,181.741 136.91,191.127 J?_KEY3.3@136.9,191.137 ; J?_KEY2.3@117.725,191.264 117.729,191.258 117.729,184.66 v1(117.727,184.658)
  Bottom Layer w0.762: v1(94.234,180.34) 94.297,180.403 117.538,180.403 v1(117.602,180.467)
COL3: J?_KEY1.5 J?_KEY2.5 J?_KEY3.5 POKEY1.9 | length 161.5
  Top Layer w0.203: v1(100.576,179.07) 100.584,179.078 100.584,191.258 J?_KEY1.5@100.589,191.263 ; v1(119.759,184.658) 119.759,179.326 v1(119.888,179.197)
  Top Layer w0.762: POKEY1.9@40.132,158.623 45.684,158.623 ccw(c45.684,161.163) 47.48,159.367 66.439,178.326 cw(c68.235,176.53) 68.235,179.07 v1(95.377,179.07)
  Bottom Layer w0.203: v1(100.576,179.07) 119.825,179.07 136.779,179.07 138.95,181.241 J?_KEY3.5@138.95,191.137 ; v1(119.759,184.658) 119.761,184.66 119.761,191.262 J?_KEY2.5@119.763,191.264
  Bottom Layer w0.762: v1(95.377,179.07) 95.441,179.133 100.576,179.133 119.825,179.133 v1(119.888,179.197)
COL4: J?_KEY1.7 J?_KEY2.7 J?_KEY3.7 POKEY1.17 | length 187.4
  Top Layer w0.203: POKEY1.17@40.132,137.922 40.386,137.668 45.075,137.668 v1(45.212,137.668) ; J?_KEY1.7@102.629,191.263 102.616,191.25 102.616,178.198 103.124,177.69 v1(103.124,177.546) ; J?_KEY2.7@121.803,191.264 121.803,176.774 v1(121.92,176.657)
  Top Layer w0.762: POKEY1.17@40.132,137.922 44.821,137.922 v1@45.075,137.668 ; v1(68.453,137.541) 68.453,176.022 70.104,177.673 v1(94.488,177.673)
  Bottom Layer w0.203: v1(45.212,137.668) 45.339,137.541 45.847,137.541 ; v1(121.92,176.657) 138.811,176.657 140.99,178.836 J?_KEY3.7@140.99,191.137
  Bottom Layer w0.762: 45.847,137.541 v1(68.453,137.541) ; v1(94.488,177.673) 103.124,177.673 120.767,177.673 121.783,176.657 v1(121.92,176.657)
EMG: HD1.11 POKEY1.57 | length 79.6
  Top Layer w0.254: v1(73.914,166.243) POKEY1.57@78.362,166.243
  Bottom Layer w0.254: HD1.11@14.224,142.113 15.494,143.383 59.781,143.383 ccw(c59.781,145.923) 61.577,144.127 73.17,155.72 ccw(c71.374,157.516) 73.914,157.516 v1(73.914,166.243)